# KiCad board Kimiro.kicad_pcb (continued)
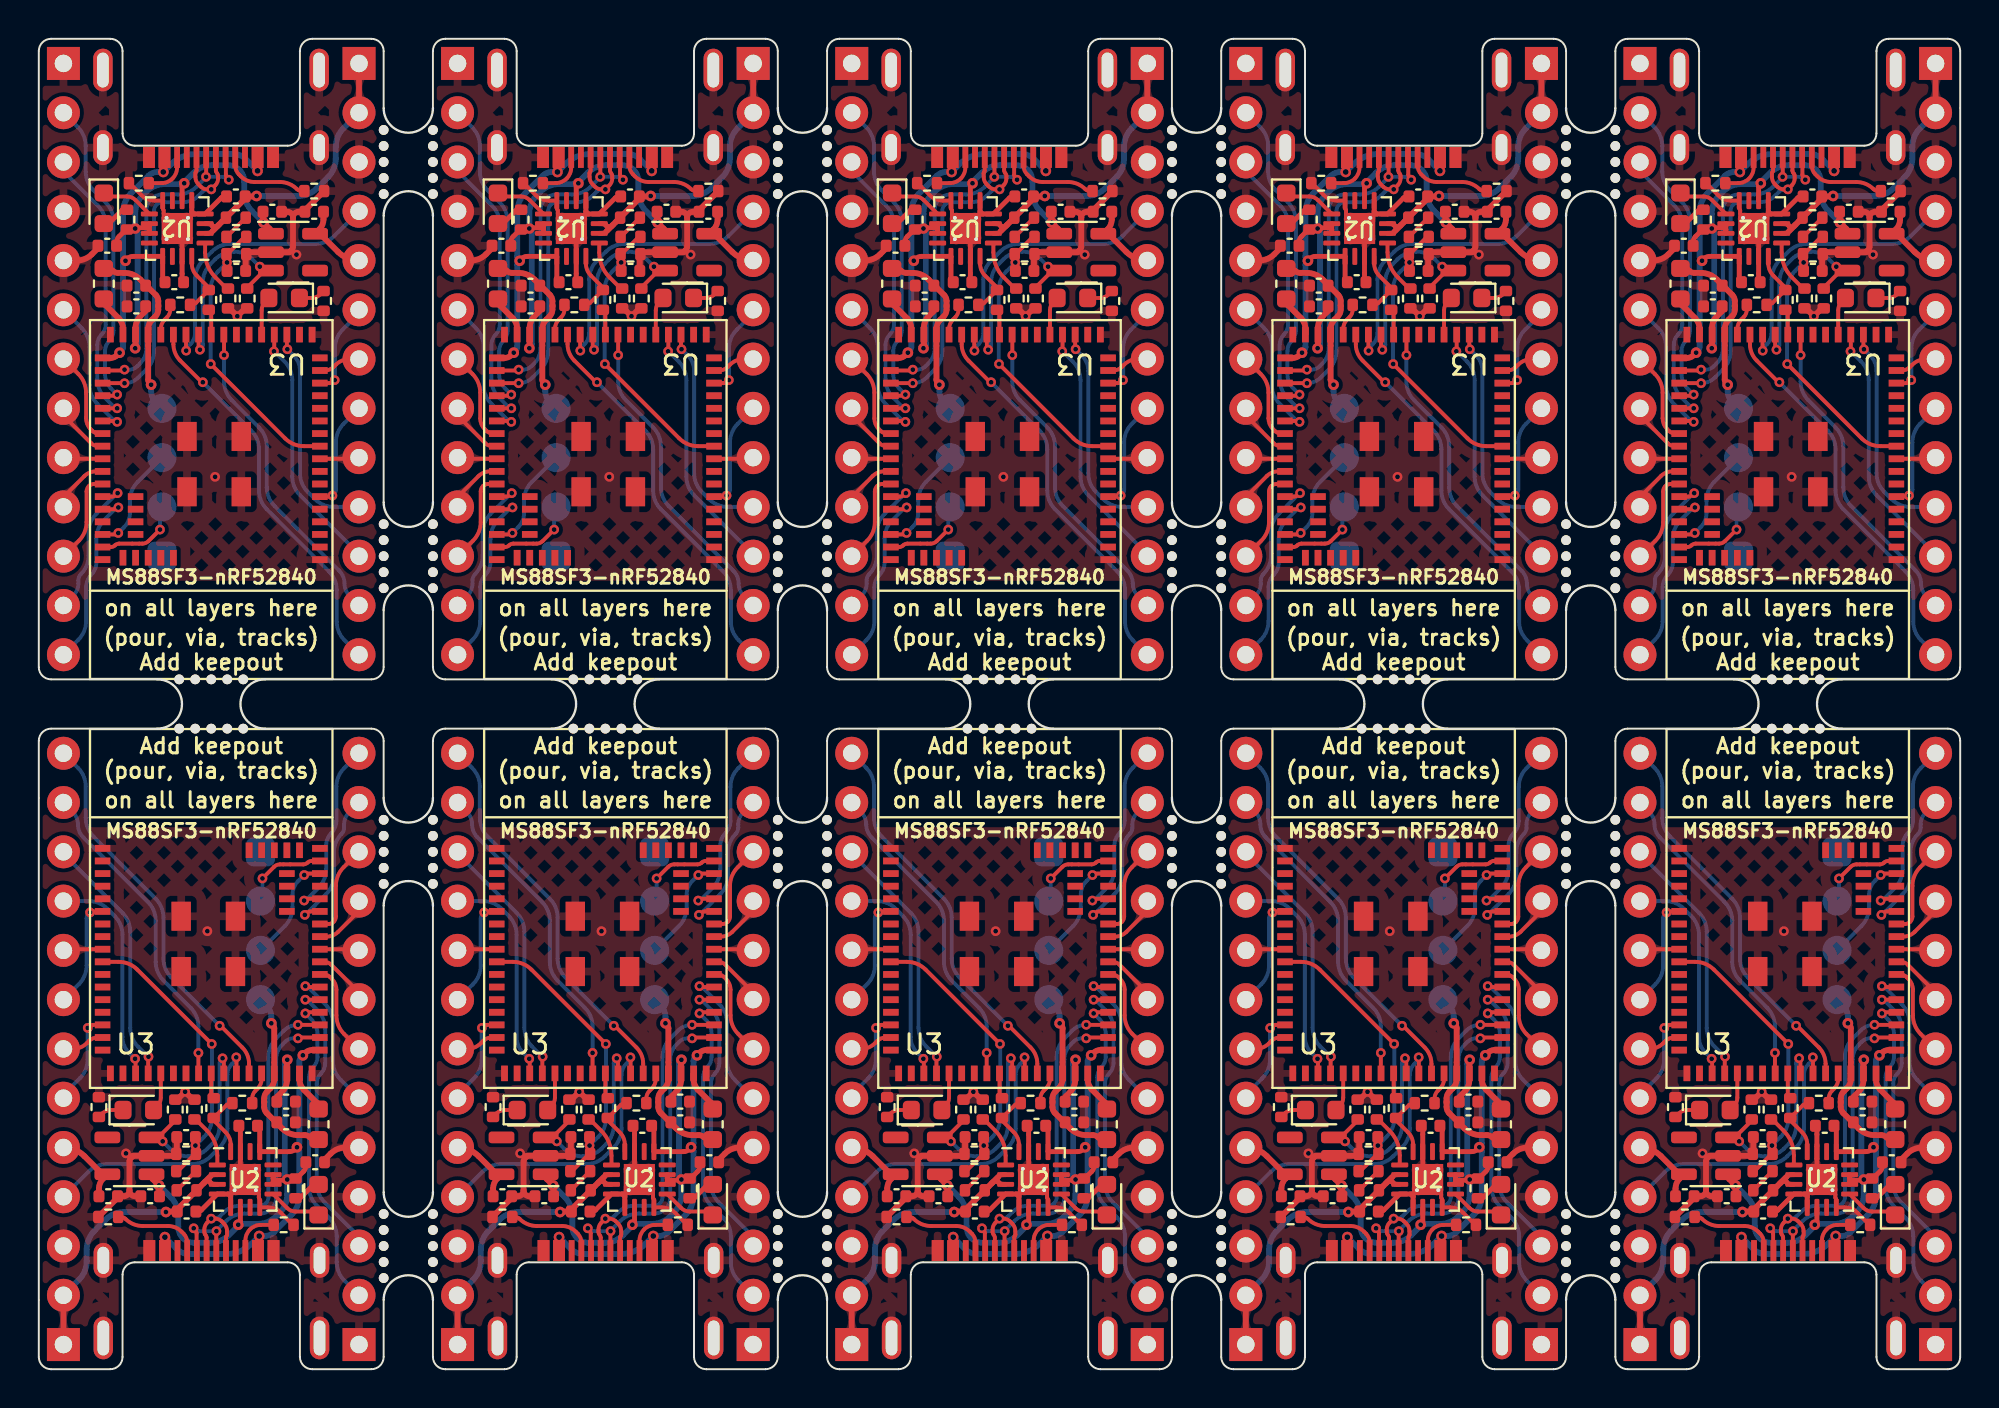
[diagram p0: board, top side]
## Routing (per net, layer and track width the routed paths; a pad name or vN(x,y) marks a point on that pad's centre or on a via; arc(x,y) is an arc through that point) (continued)
005: length 53
  Top w0.2: J4#5.6 82.55,14.38 ; U3#2.15 96.27,50.83 arc(96.37,50.85) 96.46,50.91 v3(96.54,50.99) ; v3(55.9,50.99) 55.82,50.91 arc(55.73,50.85) 55.63,50.83 U3#5.15 ; J4#2.6 57.15,54.2 ; J4#10.6 41.91,14.38 ; J4#4.6 97.79,54.2 ; v3(63.48,17.59) 63.56,17.67 arc(63.65,17.73) 63.75,17.75 U3#7.15 ; J4#3.6 62.23,14.38 ; v3(15.26,50.99) 15.18,50.91 arc(15.09,50.85) 14.99,50.83 U3#8.15 ; U3#10.15 35.31,50.83 arc(35.41,50.85) 35.5,50.91 v3(35.58,50.99) ; v3(2.52,17.59) 2.6,17.67 arc(2.69,17.73) 2.79,17.75 U3#9.15 ; J4#8.6 21.59,14.38 ; J4.6 77.47,54.2 ; v3(76.22,50.99) 76.14,50.91 arc(76.05,50.85) 75.95,50.83 U3#6.15 ; J4#9.6 1.27,14.38 ; v3(83.8,17.59) 83.88,17.67 arc(83.97,17.73) 84.07,17.75 U3.15 ; U3#4.15 23.11,17.75 arc(23.01,17.73) 22.92,17.67 v3(22.84,17.59) ; U3#3.15 43.43,17.75 arc(43.33,17.73) 43.24,17.67 v3(43.16,17.59) ; J4#7.6 16.51,54.2 ; J4#6.6 36.83,54.2
  Bottom w0.2: J4#6.6 36.83,54.52 arc(36.81,54.44) 36.77,54.37 35.98,53.59 arc(35.69,53.14) 35.59,52.62 35.59,51 arc(35.58,51) 35.58,50.99 v3(35.58,50.99) ; J4#9.6 1.27,14.06 arc(1.29,14.14) 1.33,14.21 2.12,14.99 arc(2.41,15.44) 2.51,15.96 2.51,17.58 arc(2.52,17.58) 2.52,17.59 v3(2.52,17.59) ; J4.6 77.47,54.52 arc(77.45,54.44) 77.41,54.37 76.62,53.59 arc(76.33,53.14) 76.23,52.62 76.23,51 arc(76.22,51) 76.22,50.99 v3(76.22,50.99) ; v3(83.8,17.59) 83.8,17.59 arc(83.8,17.58) 83.79,17.58 83.79,15.96 arc(83.69,15.44) 83.4,14.99 82.61,14.21 arc(82.57,14.14) 82.55,14.06 J4#5.6 ; v3(43.16,17.59) 43.16,17.59 arc(43.16,17.58) 43.15,17.58 43.15,15.96 arc(43.05,15.44) 42.76,14.99 41.97,14.21 arc(41.93,14.14) 41.91,14.06 J4#10.6 ; J4#2.6 57.15,54.52 arc(57.13,54.44) 57.09,54.37 56.3,53.59 arc(56.01,53.14) 55.91,52.62 55.91,51 arc(55.9,51) 55.9,50.99 v3(55.9,50.99) ; J4#8.6 21.59,14.06 arc(21.61,14.14) 21.65,14.21 22.44,14.99 arc(22.73,15.44) 22.83,15.96 22.83,17.58 arc(22.84,17.58) 22.84,17.59 v3(22.84,17.59) ; J4#3.6 62.23,14.06 arc(62.25,14.14) 62.29,14.21 63.08,14.99 arc(63.37,15.44) 63.47,15.96 63.47,17.58 arc(63.48,17.58) 63.48,17.59 v3(63.48,17.59) ; J4#7.6 16.51,54.52 arc(16.49,54.44) 16.45,54.37 15.66,53.59 arc(15.37,53.14) 15.27,52.62 15.27,51 arc(15.26,51) 15.26,50.99 v3(15.26,50.99) ; v3(96.54,50.99) 96.54,50.99 arc(96.54,51) 96.55,51 96.55,52.62 arc(96.65,53.14) 96.94,53.59 97.73,54.37 arc(97.77,54.44) 97.79,54.52 J4#4.6
006: length 113.5
  Top w0.2: U3#5.20 53.43,52.62 arc(53.43,52.6) 53.44,52.59 v3(53.46,52.58) ; v3(33.14,52.58) 33.12,52.59 arc(33.11,52.6) 33.11,52.62 U3#10.20 ; v3(12.82,52.58) 12.8,52.59 arc(12.79,52.6) 12.79,52.62 U3#8.20 ; U3#7.20 65.95,15.96 arc(65.95,15.98) 65.94,15.99 v3(65.92,16) ; v3(4.96,16) 4.98,15.99 arc(4.99,15.98) 4.99,15.96 U3#9.20 ; U3#4.20 25.31,15.96 arc(25.31,15.98) 25.3,15.99 v3(25.28,16) ; U3#6.20 73.75,52.62 arc(73.75,52.6) 73.76,52.59 v3(73.78,52.58) ; U3#3.20 45.63,15.96 arc(45.63,15.98) 45.62,15.99 v3(45.6,16) ; U3.20 86.27,15.96 arc(86.27,15.98) 86.26,15.99 v3(86.24,16) ; v3(94.1,52.58) 94.08,52.59 arc(94.07,52.6) 94.07,52.62 U3#2.20
  Bottom w0.2: v3(45.6,16) 45.28,16.33 arc(45.04,16.69) 44.95,17.11 44.95,22.4 arc(44.85,22.92) 44.55,23.36 44.18,23.73 arc(43.74,24.03) 43.22,24.13 J4#10.10 ; J4#6.10 35.52,44.45 arc(35,44.55) 34.56,44.85 34.19,45.22 arc(33.89,45.66) 33.79,46.18 33.79,51.47 arc(33.7,51.89) 33.46,52.25 v3(33.14,52.58) ; v3(4.96,16) 4.64,16.33 arc(4.4,16.69) 4.31,17.11 4.31,22.4 arc(4.21,22.92) 3.91,23.36 3.54,23.73 arc(3.1,24.03) 2.58,24.13 J4#9.10 ; v3(25.28,16) 24.96,16.33 arc(24.72,16.69) 24.63,17.11 24.63,22.4 arc(24.53,22.92) 24.23,23.36 23.86,23.73 arc(23.42,24.03) 22.9,24.13 J4#8.10 ; v3(12.82,52.58) 13.14,52.25 arc(13.38,51.89) 13.47,51.47 13.47,46.18 arc(13.57,45.66) 13.87,45.22 14.24,44.85 arc(14.68,44.55) 15.2,44.45 J4#7.10 ; J4#3.10 63.54,24.13 arc(64.06,24.03) 64.5,23.73 64.87,23.36 arc(65.17,22.92) 65.27,22.4 65.27,17.11 arc(65.36,16.69) 65.6,16.33 v3(65.92,16) ; v3(94.1,52.58) 94.42,52.25 arc(94.66,51.89) 94.75,51.47 94.75,46.18 arc(94.85,45.66) 95.15,45.22 95.52,44.85 arc(95.96,44.55) 96.48,44.45 J4#4.10 ; v3(73.78,52.58) 74.1,52.25 arc(74.34,51.89) 74.43,51.47 74.43,46.18 arc(74.53,45.66) 74.83,45.22 75.2,44.85 arc(75.64,44.55) 76.16,44.45 J4.10 ; v3(53.46,52.58) 53.78,52.25 arc(54.02,51.89) 54.11,51.47 54.11,46.18 arc(54.21,45.66) 54.51,45.22 54.88,44.85 arc(55.32,44.55) 55.84,44.45 J4#2.10 ; J4#5.10 83.86,24.13 arc(84.38,24.03) 84.82,23.73 85.19,23.36 arc(85.49,22.92) 85.59,22.4 85.59,17.11 arc(85.68,16.69) 85.92,16.33 v3(86.24,16)
008: length 166.1
  Top w0.2: v3(9.55,52.27) 9.55,53.31 arc(9.55,53.32) 9.55,53.33 U3#8.25 ; U3#9.25 8.23,15.25 arc(8.23,15.26) 8.23,15.27 v3(8.23,16.31) ; U3#7.25 69.19,15.25 arc(69.19,15.26) 69.19,15.27 v3(69.19,16.31) ; v3(28.55,16.31) 28.55,15.27 arc(28.55,15.26) 28.55,15.25 U3#4.25 ; v3(48.87,16.31) 48.87,15.27 arc(48.87,15.26) 48.87,15.25 U3#3.25 ; U3#5.25 50.19,53.33 arc(50.19,53.32) 50.19,53.31 v3(50.19,52.27) ; v3(29.87,52.27) 29.87,53.31 arc(29.87,53.32) 29.87,53.33 U3#10.25 ; v3(89.51,16.31) 89.51,15.27 arc(89.51,15.26) 89.51,15.25 U3.25 ; v3(70.51,52.27) 70.51,53.31 arc(70.51,53.32) 70.51,53.33 U3#6.25 ; v3(90.83,52.27) 90.83,53.31 arc(90.83,53.32) 90.83,53.33 U3#2.25
  Top w0.25: v3(28.55,16.31) 28.56,16.3 ; v3(9.55,52.27) 9.54,52.28 ; v3(70.51,52.27) 70.5,52.28 ; v3(29.87,52.27) 29.86,52.28 ; v3(50.19,52.27) 50.18,52.28 ; v3(90.83,52.27) 90.82,52.28 ; v3(48.87,16.31) 48.88,16.3 ; v3(8.23,16.31) 8.24,16.3 ; v3(89.51,16.31) 89.52,16.3 ; v3(69.19,16.31) 69.2,16.3
  Bottom w0.2: v3(29.87,52.27) 29.87,50.91 arc(29.97,50.39) 30.27,49.95 31.67,48.54 arc(31.97,48.1) 32.07,47.58 32.07,45.46 arc(32.18,44.94) 32.47,44.5 35.81,41.16 arc(36.01,40.86) 36.08,40.5 arc(36.15,40.15) 36.35,39.85 J4#6.12 ; v3(50.19,52.27) 50.19,50.91 arc(50.29,50.39) 50.59,49.95 51.99,48.54 arc(52.29,48.1) 52.39,47.58 52.39,45.46 arc(52.5,44.94) 52.79,44.5 56.13,41.16 arc(56.33,40.86) 56.4,40.5 arc(56.47,40.15) 56.67,39.85 J4#2.12 ; v3(9.55,52.27) 9.55,50.91 arc(9.65,50.39) 9.95,49.95 11.35,48.54 arc(11.65,48.1) 11.75,47.58 11.75,45.46 arc(11.86,44.94) 12.15,44.5 15.49,41.16 arc(15.69,40.86) 15.76,40.5 arc(15.83,40.15) 16.03,39.85 J4#7.12 ; J4#9.12 1.75,28.73 arc(1.95,28.43) 2.02,28.08 arc(2.09,27.72) 2.29,27.42 5.63,24.08 arc(5.92,23.64) 6.03,23.12 6.03,21 arc(6.13,20.48) 6.43,20.04 7.83,18.63 arc(8.13,18.19) 8.23,17.67 v3(8.23,16.31) ; v3(48.87,16.31) 48.87,17.67 arc(48.77,18.19) 48.47,18.63 47.07,20.04 arc(46.77,20.48) 46.67,21 46.67,23.12 arc(46.56,23.64) 46.27,24.08 42.93,27.42 arc(42.73,27.72) 42.66,28.08 arc(42.59,28.43) 42.39,28.73 J4#10.12 ; v3(69.19,16.31) 69.19,17.67 arc(69.09,18.19) 68.79,18.63 67.39,20.04 arc(67.09,20.48) 66.99,21 66.99,23.12 arc(66.88,23.64) 66.59,24.08 63.25,27.42 arc(63.05,27.72) 62.98,28.08 arc(62.91,28.43) 62.71,28.73 J4#3.12 ; v3(70.51,52.27) 70.51,50.91 arc(70.61,50.39) 70.91,49.95 72.31,48.54 arc(72.61,48.1) 72.71,47.58 72.71,45.46 arc(72.82,44.94) 73.11,44.5 76.45,41.16 arc(76.65,40.86) 76.72,40.5 arc(76.79,40.15) 76.99,39.85 J4.12 ; J4#8.12 22.07,28.73 arc(22.27,28.43) 22.34,28.08 arc(22.41,27.72) 22.61,27.42 25.95,24.08 arc(26.24,23.64) 26.35,23.12 26.35,21 arc(26.45,20.48) 26.75,20.04 28.15,18.63 arc(28.45,18.19) 28.55,17.67 v3(28.55,16.31) ; J4#5.12 83.03,28.73 arc(83.23,28.43) 83.3,28.08 arc(83.37,27.72) 83.57,27.42 86.91,24.08 arc(87.2,23.64) 87.31,23.12 87.31,21 arc(87.41,20.48) 87.71,20.04 89.11,18.63 arc(89.41,18.19) 89.51,17.67 v3(89.51,16.31) ; J4#4.12 97.31,39.85 arc(97.11,40.15) 97.04,40.5 arc(96.97,40.86) 96.77,41.16 93.43,44.5 arc(93.14,44.94) 93.03,45.46 93.03,47.58 arc(92.93,48.1) 92.63,48.54 91.23,49.95 arc(90.93,50.39) 90.83,50.91 v3(90.83,52.27)
013: length 147.9
  Top w0.2: v3(74.7,19.05) 74.7,19.05 arc(74.7,19.05) 74.7,19.05 U3#7.39 ; v3(24.36,49.53) 24.36,49.53 arc(24.36,49.53) 24.36,49.53 U3#10.39 ; v3(85.32,49.53) 85.32,49.53 arc(85.32,49.53) 85.32,49.53 U3#2.39 ; U3#3.39 54.38,19.05 arc(54.38,19.05) 54.38,19.05 v3(54.38,19.05) ; v3(13.74,19.05) 13.74,19.05 arc(13.74,19.05) 13.74,19.05 U3#9.39 ; v3(95.02,19.05) 95.02,19.05 arc(95.02,19.05) 95.02,19.05 U3.39 ; U3#5.39 44.68,49.53 arc(44.68,49.53) 44.68,49.53 v3(44.68,49.53) ; v3(34.06,19.05) 34.06,19.05 arc(34.06,19.05) 34.06,19.05 U3#4.39 ; U3#6.39 65,49.53 arc(65,49.53) 65,49.53 v3(65,49.53) ; v3(4.04,49.53) 4.04,49.53 arc(4.04,49.53) 4.04,49.53 U3#8.39
  Bottom w0.2: J3#2.3 77.47,6.59 arc(77.43,6.81) 77.3,6.99 75.69,8.61 arc(75.39,9.05) 75.29,9.57 75.29,14.72 arc(75.35,15.01) 75.51,15.25 arc(75.67,15.49) 75.73,15.77 75.73,17.54 arc(75.62,18.06) 75.33,18.5 74.82,19.02 arc(74.78,19.04) 74.74,19.05 v3(74.7,19.05) ; v3(85.32,49.53) 85.28,49.53 arc(85.24,49.54) 85.2,49.56 84.69,50.08 arc(84.4,50.52) 84.29,51.04 84.29,52.81 arc(84.35,53.09) 84.51,53.33 arc(84.67,53.57) 84.73,53.86 84.73,59.01 arc(84.63,59.53) 84.33,59.97 82.72,61.59 arc(82.59,61.77) 82.55,61.99 J3#7.3 ; J3#9.3 62.23,61.99 arc(62.27,61.77) 62.4,61.59 64.01,59.97 arc(64.31,59.53) 64.41,59.01 64.41,53.86 arc(64.35,53.57) 64.19,53.33 arc(64.03,53.09) 63.97,52.81 63.97,51.04 arc(64.08,50.52) 64.37,50.08 64.88,49.56 arc(64.92,49.54) 64.96,49.53 v3(65,49.53) ; v3(4.04,49.53) 4,49.53 arc(3.96,49.54) 3.92,49.56 3.41,50.08 arc(3.12,50.52) 3.01,51.04 3.01,52.81 arc(3.07,53.09) 3.23,53.33 arc(3.39,53.57) 3.45,53.86 3.45,59.01 arc(3.35,59.53) 3.05,59.97 1.44,61.59 arc(1.31,61.77) 1.27,61.99 J3#10.3 ; J3#4.3 41.91,61.99 arc(41.95,61.77) 42.08,61.59 43.69,59.97 arc(43.99,59.53) 44.09,59.01 44.09,53.86 arc(44.03,53.57) 43.87,53.33 arc(43.71,53.09) 43.65,52.81 43.65,51.04 arc(43.76,50.52) 44.05,50.08 44.56,49.56 arc(44.6,49.54) 44.64,49.53 v3(44.68,49.53) ; v3(13.74,19.05) 13.78,19.05 arc(13.82,19.04) 13.86,19.02 14.37,18.5 arc(14.66,18.06) 14.77,17.54 14.77,15.77 arc(14.71,15.49) 14.55,15.25 arc(14.39,15.01) 14.33,14.72 14.33,9.57 arc(14.43,9.05) 14.73,8.61 16.34,6.99 arc(16.47,6.81) 16.51,6.59 J3#3.3 ; v3(24.36,49.53) 24.32,49.53 arc(24.28,49.54) 24.24,49.56 23.73,50.08 arc(23.44,50.52) 23.33,51.04 23.33,52.81 arc(23.39,53.09) 23.55,53.33 arc(23.71,53.57) 23.77,53.86 23.77,59.01 arc(23.67,59.53) 23.37,59.97 21.76,61.59 arc(21.63,61.77) 21.59,61.99 J3#5.3 ; v3(95.02,19.05) 95.06,19.05 arc(95.1,19.04) 95.14,19.02 95.65,18.5 arc(95.94,18.06) 96.05,17.54 96.05,15.77 arc(95.99,15.49) 95.83,15.25 arc(95.67,15.01) 95.61,14.72 95.61,9.57 arc(95.71,9.05) 96.01,8.61 97.62,6.99 arc(97.75,6.81) 97.79,6.59 J3#6.3 ; J3.3 57.15,6.59 arc(57.11,6.81) 56.98,6.99 55.37,8.61 arc(55.07,9.05) 54.97,9.57 54.97,14.72 arc(55.03,15.01) 55.19,15.25 arc(55.35,15.49) 55.41,15.77 55.41,17.54 arc(55.3,18.06) 55.01,18.5 54.5,19.02 arc(54.46,19.04) 54.42,19.05 v3(54.38,19.05) ; J3#8.3 36.83,6.59 arc(36.79,6.81) 36.66,6.99 35.05,8.61 arc(34.75,9.05) 34.65,9.57 34.65,14.72 arc(34.71,15.01) 34.87,15.25 arc(35.03,15.49) 35.09,15.77 35.09,17.54 arc(34.98,18.06) 34.69,18.5 34.18,19.02 arc(34.14,19.04) 34.1,19.05 v3(34.06,19.05)
015: length 76.2
  Top w0.2: U3#2.40 85.24,48.88 arc(85.27,48.87) 85.29,48.86 v3(85.32,48.83) ; v3(95.02,19.75) 95.05,19.72 arc(95.07,19.71) 95.1,19.7 U3.40 ; v3(34.06,19.75) 34.09,19.72 arc(34.11,19.71) 34.14,19.7 U3#4.40 ; U3#6.40 64.92,48.88 arc(64.95,48.87) 64.97,48.86 v3(65,48.83) ; U3#8.40 3.96,48.88 arc(3.99,48.87) 4.01,48.86 v3(4.04,48.83) ; U3#7.40 74.78,19.7 arc(74.75,19.71) 74.73,19.72 v3(74.7,19.75) ; U3#9.40 13.82,19.7 arc(13.79,19.71) 13.77,19.72 v3(13.74,19.75) ; U3#5.40 44.6,48.88 arc(44.63,48.87) 44.65,48.86 v3(44.68,48.83) ; U3#10.40 24.28,48.88 arc(24.31,48.87) 24.33,48.86 v3(24.36,48.83) ; v3(54.38,19.75) 54.41,19.72 arc(54.43,19.71) 54.46,19.7 U3#3.40
  Bottom w0.2: v3(95.02,19.75) 95.04,19.73 arc(95.06,19.72) 95.08,19.71 95.1,19.71 arc(95.14,19.7) 95.18,19.68 96.05,18.81 arc(96.34,18.37) 96.45,17.85 96.45,15.88 arc(96.55,15.36) 96.84,14.92 J3#6.6 ; J3#3.6 15.56,14.92 arc(15.27,15.36) 15.17,15.88 15.17,17.85 arc(15.06,18.37) 14.77,18.81 13.9,19.68 arc(13.86,19.7) 13.82,19.71 13.8,19.71 arc(13.78,19.72) 13.76,19.73 v3(13.74,19.75) ; v3(65,48.83) 64.98,48.85 arc(64.96,48.86) 64.94,48.87 64.92,48.87 arc(64.88,48.88) 64.84,48.9 63.97,49.77 arc(63.68,50.21) 63.57,50.73 63.57,52.7 arc(63.47,53.22) 63.18,53.66 J3#9.6 ; J3#5.6 22.54,53.66 arc(22.83,53.22) 22.93,52.7 22.93,50.73 arc(23.04,50.21) 23.33,49.77 24.2,48.9 arc(24.24,48.88) 24.28,48.87 24.3,48.87 arc(24.32,48.86) 24.34,48.85 v3(24.36,48.83) ; J3#7.6 83.5,53.66 arc(83.79,53.22) 83.89,52.7 83.89,50.73 arc(84,50.21) 84.29,49.77 85.16,48.9 arc(85.2,48.88) 85.24,48.87 85.26,48.87 arc(85.28,48.86) 85.3,48.85 v3(85.32,48.83) ; J3#10.6 2.22,53.66 arc(2.51,53.22) 2.61,52.7 2.61,50.73 arc(2.72,50.21) 3.01,49.77 3.88,48.9 arc(3.92,48.88) 3.96,48.87 3.98,48.87 arc(4,48.86) 4.02,48.85 v3(4.04,48.83) ; J3#8.6 35.88,14.92 arc(35.59,15.36) 35.49,15.88 35.49,17.85 arc(35.38,18.37) 35.09,18.81 34.22,19.68 arc(34.18,19.7) 34.14,19.71 34.12,19.71 arc(34.1,19.72) 34.08,19.73 v3(34.06,19.75) ; J3#4.6 42.86,53.66 arc(43.15,53.22) 43.25,52.7 43.25,50.73 arc(43.36,50.21) 43.65,49.77 44.52,48.9 arc(44.56,48.88) 44.6,48.87 44.62,48.87 arc(44.64,48.86) 44.66,48.85 v3(44.68,48.83) ; J3.6 56.2,14.92 arc(55.91,15.36) 55.81,15.88 55.81,17.85 arc(55.7,18.37) 55.41,18.81 54.54,19.68 arc(54.5,19.7) 54.46,19.71 54.44,19.71 arc(54.42,19.72) 54.4,19.73 v3(54.38,19.75) ; J3#2.6 76.52,14.92 arc(76.23,15.36) 76.13,15.88 76.13,17.85 arc(76.02,18.37) 75.73,18.81 74.86,19.68 arc(74.82,19.7) 74.78,19.71 74.76,19.71 arc(74.74,19.72) 74.72,19.73 v3(74.7,19.75)
016: length 202
  Top w0.2: v3(8.46,50.88) 8.45,50.89 arc(8.43,50.9) 8.41,50.9 8.41,50.9 arc(8.38,50.91) 8.36,50.92 7.29,51.99 arc(7.03,52.38) 6.94,52.84 U3#8.29 ; v3(89.74,50.88) 89.73,50.89 arc(89.71,50.9) 89.69,50.9 89.69,50.9 arc(89.66,50.91) 89.64,50.92 88.57,51.99 arc(88.31,52.38) 88.22,52.84 U3#2.29 ; U3#4.29 31.16,15.74 arc(31.07,16.2) 30.81,16.59 29.74,17.66 arc(29.72,17.67) 29.69,17.68 29.69,17.68 arc(29.67,17.68) 29.65,17.69 v3(29.64,17.7) ; v3(90.6,17.7) 90.61,17.69 arc(90.63,17.68) 90.65,17.68 90.65,17.68 arc(90.68,17.67) 90.7,17.66 91.77,16.59 arc(92.03,16.2) 92.12,15.74 U3.29 ; v3(28.78,50.88) 28.77,50.89 arc(28.75,50.9) 28.73,50.9 28.73,50.9 arc(28.7,50.91) 28.68,50.92 27.61,51.99 arc(27.35,52.38) 27.26,52.84 U3#10.29 ; v3(49.96,17.7) 49.97,17.69 arc(49.99,17.68) 50.01,17.68 50.01,17.68 arc(50.04,17.67) 50.06,17.66 51.13,16.59 arc(51.39,16.2) 51.48,15.74 U3#3.29 ; U3#6.29 67.9,52.84 arc(67.99,52.38) 68.25,51.99 69.32,50.92 arc(69.34,50.91) 69.37,50.9 69.37,50.9 arc(69.39,50.9) 69.41,50.89 v3(69.42,50.88) ; v3(9.32,17.7) 9.33,17.69 arc(9.35,17.68) 9.37,17.68 9.37,17.68 arc(9.4,17.67) 9.42,17.66 10.49,16.59 arc(10.75,16.2) 10.84,15.74 U3#9.29 ; v3(49.1,50.88) 49.09,50.89 arc(49.07,50.9) 49.05,50.9 49.05,50.9 arc(49.02,50.91) 49,50.92 47.93,51.99 arc(47.67,52.38) 47.58,52.84 U3#5.29 ; U3#7.29 71.8,15.74 arc(71.71,16.2) 71.45,16.59 70.38,17.66 arc(70.36,17.67) 70.33,17.68 70.33,17.68 arc(70.31,17.68) 70.29,17.69 v3(70.28,17.7)
  Bottom w0.2: J4.13 76.72,37.58 arc(76.42,38.02) 76.32,38.54 76.32,40.16 arc(76.22,40.68) 75.92,41.12 72.71,44.33 arc(72.42,44.77) 72.31,45.29 72.31,47.42 arc(72.21,47.94) 71.92,48.38 v3(69.42,50.88) ; J4#10.13 42.66,31 arc(42.96,30.56) 43.06,30.04 43.06,28.42 arc(43.16,27.9) 43.46,27.46 46.67,24.25 arc(46.96,23.81) 47.07,23.29 47.07,21.16 arc(47.17,20.64) 47.46,20.2 v3(49.96,17.7) ; J4#2.13 56.4,37.58 arc(56.1,38.02) 56,38.54 56,40.16 arc(55.9,40.68) 55.6,41.12 52.39,44.33 arc(52.1,44.77) 51.99,45.29 51.99,47.42 arc(51.89,47.94) 51.6,48.38 v3(49.1,50.88) ; v3(90.6,17.7) 88.1,20.2 arc(87.81,20.64) 87.71,21.16 87.71,23.29 arc(87.6,23.81) 87.31,24.25 84.1,27.46 arc(83.8,27.9) 83.7,28.42 83.7,30.04 arc(83.6,30.56) 83.3,31 J4#5.13 ; J4#6.13 36.08,37.58 arc(35.78,38.02) 35.68,38.54 35.68,40.16 arc(35.58,40.68) 35.28,41.12 32.07,44.33 arc(31.78,44.77) 31.67,45.29 31.67,47.42 arc(31.57,47.94) 31.28,48.38 v3(28.78,50.88) ; J4#3.13 62.98,31 arc(63.28,30.56) 63.38,30.04 63.38,28.42 arc(63.48,27.9) 63.78,27.46 66.99,24.25 arc(67.28,23.81) 67.39,23.29 67.39,21.16 arc(67.49,20.64) 67.78,20.2 v3(70.28,17.7) ; v3(29.64,17.7) 27.14,20.2 arc(26.85,20.64) 26.75,21.16 26.75,23.29 arc(26.64,23.81) 26.35,24.25 23.14,27.46 arc(22.84,27.9) 22.74,28.42 22.74,30.04 arc(22.64,30.56) 22.34,31 J4#8.13 ; v3(8.46,50.88) 10.96,48.38 arc(11.25,47.94) 11.35,47.42 11.35,45.29 arc(11.46,44.77) 11.75,44.33 14.96,41.12 arc(15.26,40.68) 15.36,40.16 15.36,38.54 arc(15.46,38.02) 15.76,37.58 J4#7.13 ; J4#9.13 2.02,31 arc(2.32,30.56) 2.42,30.04 2.42,28.42 arc(2.52,27.9) 2.82,27.46 6.03,24.25 arc(6.32,23.81) 6.43,23.29 6.43,21.16 arc(6.53,20.64) 6.82,20.2 v3(9.32,17.7) ; v3(89.74,50.88) 92.24,48.38 arc(92.53,47.94) 92.63,47.42 92.63,45.29 arc(92.74,44.77) 93.03,44.33 96.24,41.12 arc(96.54,40.68) 96.64,40.16 96.64,38.54 arc(96.74,38.02) 97.04,37.58 J4#4.13
017: length 51.7
  Top w0.2: J3#9.7 63,51.3 arc(63.29,50.86) 63.4,50.34 63.4,49.02 arc(63.46,48.72) 63.63,48.46 63.72,48.37 arc(63.87,48.27) 64.05,48.23 U3#6.41 ; U3#5.41 43.73,48.23 arc(43.55,48.27) 43.4,48.37 43.31,48.46 arc(43.14,48.72) 43.08,49.02 43.08,50.34 arc(42.97,50.86) 42.68,51.3 J3#4.7 ; U3.41 95.97,20.35 arc(96.15,20.31) 96.3,20.21 96.39,20.12 arc(96.56,19.86) 96.62,19.56 96.62,18.24 arc(96.73,17.72) 97.02,17.28 J3#6.7 ; J3#10.7 2.04,51.3 arc(2.33,50.86) 2.44,50.34 2.44,49.02 arc(2.5,48.72) 2.67,48.46 2.76,48.37 arc(2.91,48.27) 3.09,48.23 U3#8.41 ; J3.7 56.38,17.28 arc(56.09,17.72) 55.98,18.24 55.98,19.56 arc(55.92,19.86) 55.75,20.12 55.66,20.21 arc(55.51,20.31) 55.33,20.35 U3#3.41 ; U3#10.41 23.41,48.23 arc(23.23,48.27) 23.08,48.37 22.99,48.46 arc(22.82,48.72) 22.76,49.02 22.76,50.34 arc(22.65,50.86) 22.36,51.3 J3#5.7 ; U3#2.41 84.37,48.23 arc(84.19,48.27) 84.04,48.37 83.95,48.46 arc(83.78,48.72) 83.72,49.02 83.72,50.34 arc(83.61,50.86) 83.32,51.3 J3#7.7 ; U3#7.41 75.65,20.35 arc(75.83,20.31) 75.98,20.21 76.07,20.12 arc(76.24,19.86) 76.3,19.56 76.3,18.24 arc(76.41,17.72) 76.7,17.28 J3#2.7 ; J3#3.7 15.74,17.28 arc(15.45,17.72) 15.34,18.24 15.34,19.56 arc(15.28,19.86) 15.11,20.12 15.02,20.21 arc(14.87,20.31) 14.69,20.35 U3#9.41 ; U3#4.41 35.01,20.35 arc(35.19,20.31) 35.34,20.21 35.43,20.12 arc(35.6,19.86) 35.66,19.56 35.66,18.24 arc(35.77,17.72) 36.06,17.28 J3#8.7
  Bottom w0.2: J3#3.7 16.13,16.51 ; J3#9.7 62.61,52.07 ; J3#2.7 77.09,16.51 ; J3#5.7 21.97,52.07 ; J3#8.7 36.45,16.51 ; J3.7 56.77,16.51 ; J3#6.7 97.41,16.51 ; J3#10.7 1.65,52.07 ; J3#4.7 42.29,52.07 ; J3#7.7 82.93,52.07
019: length 165.2
  Top w0.2: U3#3.38 54.48,18.4 arc(54.44,18.39) 54.41,18.37 v3(54.38,18.34) ; U3.38 95.12,18.4 arc(95.08,18.39) 95.05,18.37 v3(95.02,18.34) ; v3(65,50.24) 64.97,50.21 arc(64.94,50.19) 64.9,50.18 U3#6.38 ; v3(24.36,50.24) 24.33,50.21 arc(24.3,50.19) 24.26,50.18 U3#10.38 ; U3#2.38 85.22,50.18 arc(85.26,50.19) 85.29,50.21 v3(85.32,50.24) ; v3(34.06,18.34) 34.09,18.37 arc(34.12,18.39) 34.16,18.4 U3#4.38 ; U3#7.38 74.8,18.4 arc(74.76,18.39) 74.73,18.37 v3(74.7,18.34) ; v3(13.74,18.34) 13.77,18.37 arc(13.8,18.39) 13.84,18.4 U3#9.38 ; v3(4.04,50.24) 4.01,50.21 arc(3.98,50.19) 3.94,50.18 U3#8.38 ; v3(44.68,50.24) 44.65,50.21 arc(44.62,50.19) 44.58,50.18 U3#5.38
  Bottom w0.2: v3(85.32,50.24) 85.01,50.55 arc(84.77,50.9) 84.69,51.31 84.69,52.48 arc(84.75,52.77) 84.91,53.01 arc(85.07,53.25) 85.13,53.54 85.13,59.18 arc(85.03,59.7) 84.73,60.14 84.1,60.77 arc(83.8,61.21) 83.7,61.73 83.7,63.06 arc(83.6,63.58) 83.3,64.02 J3#7.2 ; J3#10.2 2.02,64.02 arc(2.32,63.58) 2.42,63.06 2.42,61.73 arc(2.52,61.21) 2.82,60.77 3.45,60.14 arc(3.75,59.7) 3.85,59.18 3.85,53.54 arc(3.79,53.25) 3.63,53.01 arc(3.47,52.77) 3.41,52.48 3.41,51.31 arc(3.49,50.9) 3.73,50.55 v3(4.04,50.24) ; v3(34.06,18.34) 34.37,18.03 arc(34.61,17.68) 34.69,17.27 34.69,16.1 arc(34.63,15.81) 34.47,15.57 arc(34.31,15.33) 34.25,15.04 34.25,9.4 arc(34.35,8.88) 34.65,8.44 35.28,7.81 arc(35.58,7.37) 35.68,6.85 35.68,5.52 arc(35.78,5) 36.08,4.56 J3#8.2 ; J3#2.2 76.72,4.56 arc(76.42,5) 76.32,5.52 76.32,6.85 arc(76.22,7.37) 75.92,7.81 75.29,8.44 arc(74.99,8.88) 74.89,9.4 74.89,15.04 arc(74.95,15.33) 75.11,15.57 arc(75.27,15.81) 75.33,16.1 75.33,17.27 arc(75.25,17.68) 75.01,18.03 v3(74.7,18.34) ; J3#9.2 62.98,64.02 arc(63.28,63.58) 63.38,63.06 63.38,61.73 arc(63.48,61.21) 63.78,60.77 64.41,60.14 arc(64.71,59.7) 64.81,59.18 64.81,53.54 arc(64.75,53.25) 64.59,53.01 arc(64.43,52.77) 64.37,52.48 64.37,51.31 arc(64.45,50.9) 64.69,50.55 v3(65,50.24) ; J3#3.2 15.76,4.56 arc(15.46,5) 15.36,5.52 15.36,6.85 arc(15.26,7.37) 14.96,7.81 14.33,8.44 arc(14.03,8.88) 13.93,9.4 13.93,15.04 arc(13.99,15.33) 14.15,15.57 arc(14.31,15.81) 14.37,16.1 14.37,17.27 arc(14.29,17.68) 14.05,18.03 v3(13.74,18.34) ; v3(54.38,18.34) 54.69,18.03 arc(54.93,17.68) 55.01,17.27 55.01,16.1 arc(54.95,15.81) 54.79,15.57 arc(54.63,15.33) 54.57,15.04 54.57,9.4 arc(54.67,8.88) 54.97,8.44 55.6,7.81 arc(55.9,7.37) 56,6.85 56,5.52 arc(56.1,5) 56.4,4.56 J3.2 ; J3#4.2 42.66,64.02 arc(42.96,63.58) 43.06,63.06 43.06,61.73 arc(43.16,61.21) 43.46,60.77 44.09,60.14 arc(44.39,59.7) 44.49,59.18 44.49,53.54 arc(44.43,53.25) 44.27,53.01 arc(44.11,52.77) 44.05,52.48 44.05,51.31 arc(44.13,50.9) 44.37,50.55 v3(44.68,50.24) ; v3(24.36,50.24) 24.05,50.55 arc(23.81,50.9) 23.73,51.31 23.73,52.48 arc(23.79,52.77) 23.95,53.01 arc(24.11,53.25) 24.17,53.54 24.17,59.18 arc(24.07,59.7) 23.77,60.14 23.14,60.77 arc(22.84,61.21) 22.74,61.73 22.74,63.06 arc(22.64,63.58) 22.34,64.02 J3#5.2 ; v3(95.02,18.34) 95.33,18.03 arc(95.57,17.68) 95.65,17.27 95.65,16.1 arc(95.59,15.81) 95.43,15.57 arc(95.27,15.33) 95.21,15.04 95.21,9.4 arc(95.31,8.88) 95.61,8.44 96.24,7.81 arc(96.54,7.37) 96.64,6.85 96.64,5.52 arc(96.74,5) 97.04,4.56 J3#6.2
020: length 30.1
  Top w0.2: J3#10.10 1.27,44.7 arc(1.32,44.94) 1.45,45.14 2.35,46.03 arc(2.62,46.22) 2.94,46.28 3.29,46.28 ; U3#4.44 35.16,22.3 arc(35.48,22.36) 35.75,22.55 36.65,23.44 arc(36.78,23.64) 36.83,23.88 J3#8.10 ; U3#9.44 14.84,22.3 arc(15.16,22.36) 15.43,22.55 16.33,23.44 arc(16.46,23.64) 16.51,23.88 J3#3.10 ; J3.10 57.15,23.88 arc(57.1,23.64) 56.97,23.44 56.07,22.55 arc(55.8,22.36) 55.48,22.3 U3#3.44 ; J3#6.10 97.79,23.88 arc(97.74,23.64) 97.61,23.44 96.71,22.55 arc(96.44,22.36) 96.12,22.3 U3.44 ; 64.25,46.28 63.9,46.28 arc(63.58,46.22) 63.31,46.03 62.41,45.14 arc(62.28,44.94) 62.23,44.7 J3#9.10 ; J3#2.10 77.47,23.88 arc(77.42,23.64) 77.29,23.44 76.39,22.55 arc(76.12,22.36) 75.8,22.3 U3#7.44 ; 23.61,46.28 23.26,46.28 arc(22.94,46.22) 22.67,46.03 21.77,45.14 arc(21.64,44.94) 21.59,44.7 J3#5.10 ; 43.93,46.28 43.58,46.28 arc(43.26,46.22) 42.99,46.03 42.09,45.14 arc(41.96,44.94) 41.91,44.7 J3#4.10 ; 84.57,46.28 84.22,46.28 arc(83.9,46.22) 83.63,46.03 82.73,45.14 arc(82.6,44.94) 82.55,44.7 J3#7.10
021: length 30
  Top w0.2: J3#2.8 77.47,19.23 arc(77.44,19.4) 77.34,19.55 76.04,20.84 arc(75.87,20.96) 75.67,21 U3#7.42 ; U3#3.42 55.35,21 arc(55.55,20.96) 55.72,20.84 57.02,19.55 arc(57.12,19.4) 57.15,19.23 J3.8 ; U3#10.42 23.39,47.58 arc(23.19,47.62) 23.02,47.74 21.72,49.03 arc(21.62,49.18) 21.59,49.35 J3#5.8 ; U3#8.42 3.07,47.58 arc(2.87,47.62) 2.7,47.74 1.4,49.03 arc(1.3,49.18) 1.27,49.35 J3#10.8 ; J3#8.8 36.83,19.23 arc(36.8,19.4) 36.7,19.55 35.4,20.84 arc(35.23,20.96) 35.03,21 U3#4.42 ; J3#9.8 62.23,49.35 arc(62.26,49.18) 62.36,49.03 63.66,47.74 arc(63.83,47.62) 64.03,47.58 U3#6.42 ; U3.42 95.99,21 arc(96.19,20.96) 96.36,20.84 97.66,19.55 arc(97.76,19.4) 97.79,19.23 J3#6.8 ; J3#4.8 41.91,49.35 arc(41.94,49.18) 42.04,49.03 43.34,47.74 arc(43.51,47.62) 43.71,47.58 U3#5.42 ; J3#7.8 82.55,49.35 arc(82.58,49.18) 82.68,49.03 83.98,47.74 arc(84.15,47.62) 84.35,47.58 U3#2.42 ; J3#3.8 16.51,19.23 arc(16.48,19.4) 16.38,19.55 15.08,20.84 arc(14.91,20.96) 14.71,21 U3#9.42
022: length 48.2
  Top w0.2: J3#2.11 76.67,25.87 arc(76.38,25.43) 76.28,24.91 76.28,23.34 arc(76.25,23.19) 76.16,23.06 arc(76.04,22.98) 75.89,22.95 U3#7.45 ; J3#7.11 83.35,42.71 arc(83.64,43.15) 83.74,43.67 83.74,45.24 arc(83.77,45.39) 83.86,45.52 arc(83.98,45.6) 84.13,45.63 U3#2.45 ; U3#3.45 55.57,22.95 arc(55.72,22.98) 55.84,23.06 arc(55.93,23.19) 55.96,23.34 55.96,24.91 arc(56.06,25.43) 56.35,25.87 J3.11 ; J3#9.11 63.03,42.71 arc(63.32,43.15) 63.42,43.67 63.42,45.24 arc(63.45,45.39) 63.54,45.52 arc(63.66,45.6) 63.81,45.63 U3#6.45 ; J3#3.11 15.71,25.87 arc(15.42,25.43) 15.32,24.91 15.32,23.34 arc(15.29,23.19) 15.2,23.06 arc(15.08,22.98) 14.93,22.95 U3#9.45 ; U3#4.45 35.25,22.95 arc(35.4,22.98) 35.52,23.06 arc(35.61,23.19) 35.64,23.34 35.64,24.91 arc(35.74,25.43) 36.03,25.87 J3#8.11 ; U3#5.45 43.49,45.63 arc(43.34,45.6) 43.22,45.52 arc(43.13,45.39) 43.1,45.24 43.1,43.67 arc(43,43.15) 42.71,42.71 J3#4.11 ; J3#10.11 2.07,42.71 arc(2.36,43.15) 2.46,43.67 2.46,45.24 arc(2.49,45.39) 2.58,45.52 arc(2.7,45.6) 2.85,45.63 U3#8.45 ; J3#6.11 96.99,25.87 arc(96.7,25.43) 96.6,24.91 96.6,23.34 arc(96.57,23.19) 96.48,23.06 arc(96.36,22.98) 96.21,22.95 U3.45 ; U3#10.45 23.17,45.63 arc(23.02,45.6) 22.9,45.52 arc(22.81,45.39) 22.78,45.24 22.78,43.67 arc(22.68,43.15) 22.39,42.71 J3#5.11
